# Altium PCB keyboard.PcbDoc (part 1 of 2)
Units mil, origin at the board's own origin, x right, y up, seen from the top; angles counter-clockwise.
Board outline 13687.52 x 5395.09 mil, 2 copper layers (Top Layer, Bottom Layer), stack 61.89 mil thick; 335 components, 198 nets, 879 pads, 640 vias.
Unrouted connection lines stored in the file: 435.
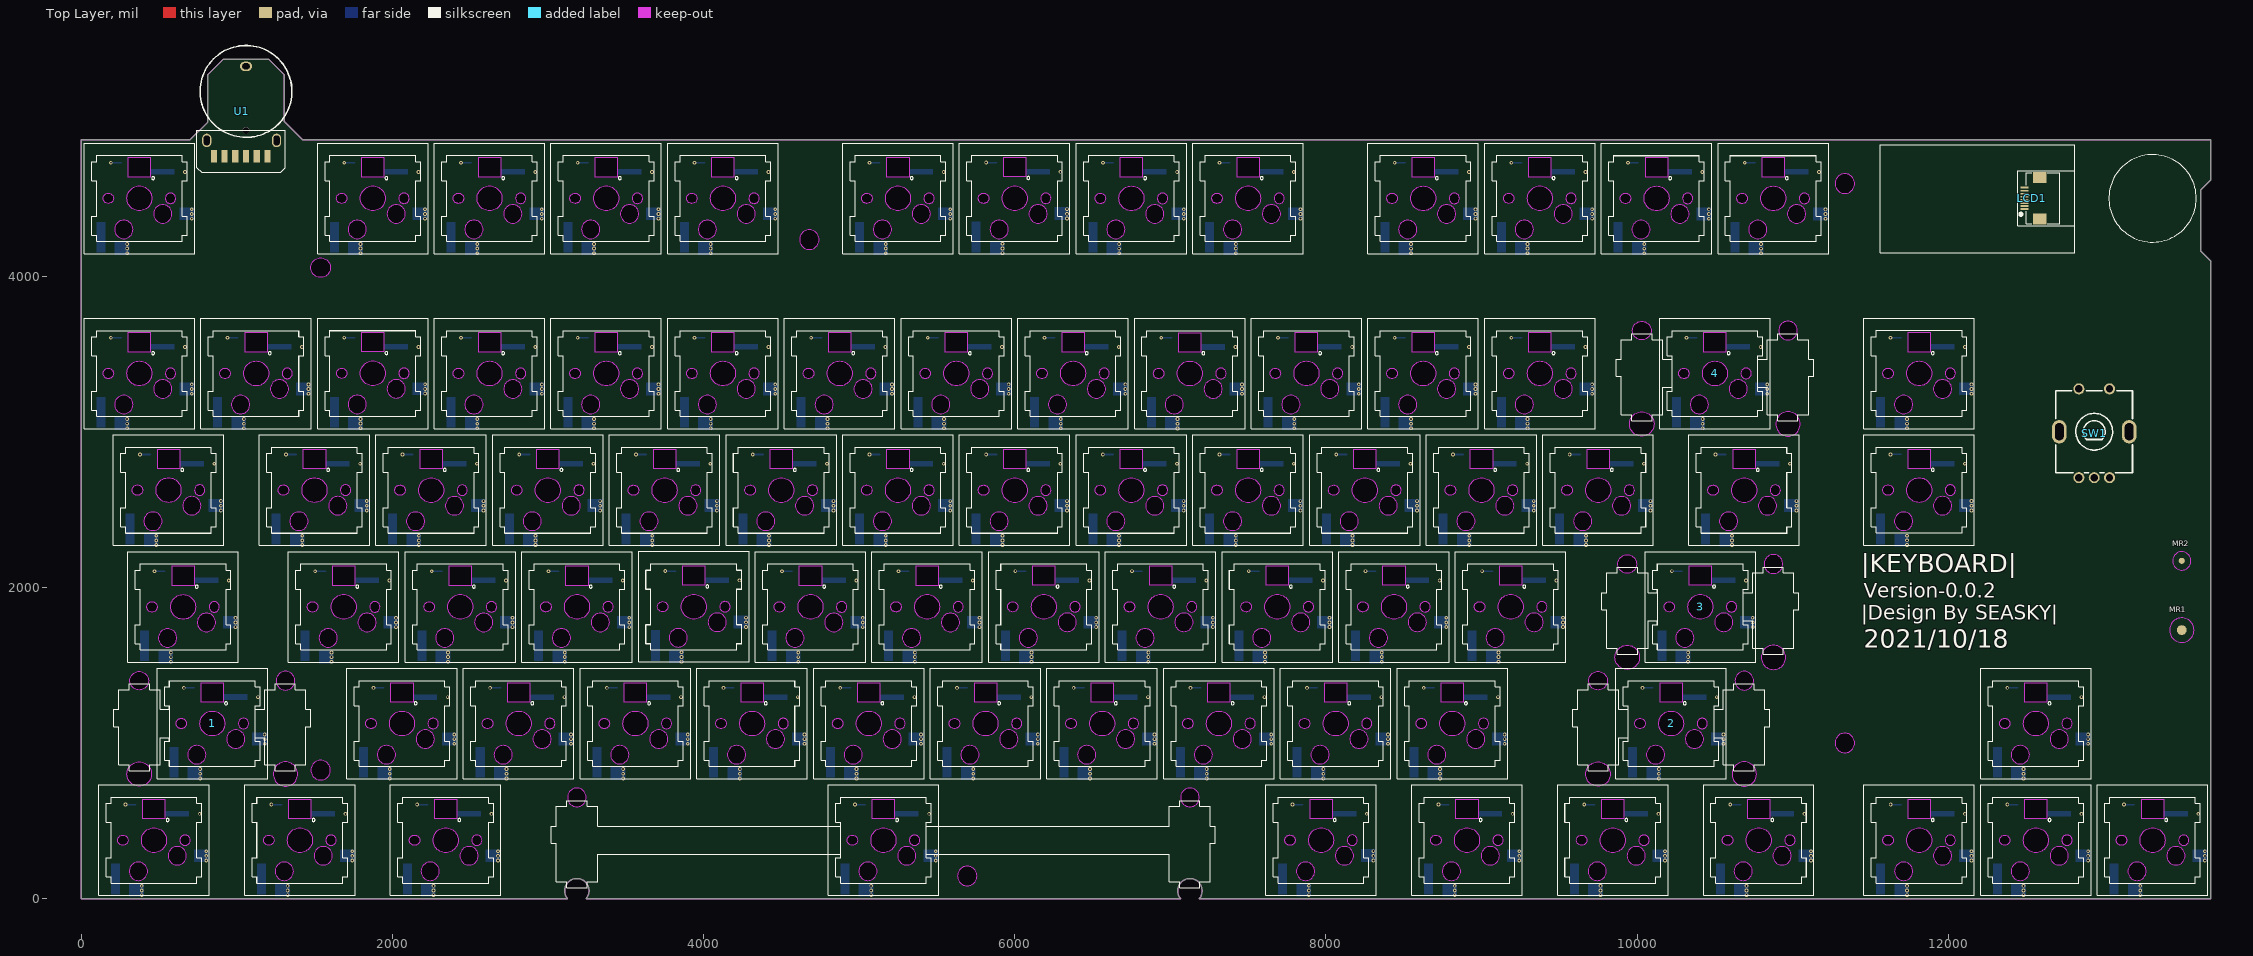
[diagram p0: Top Layer view]
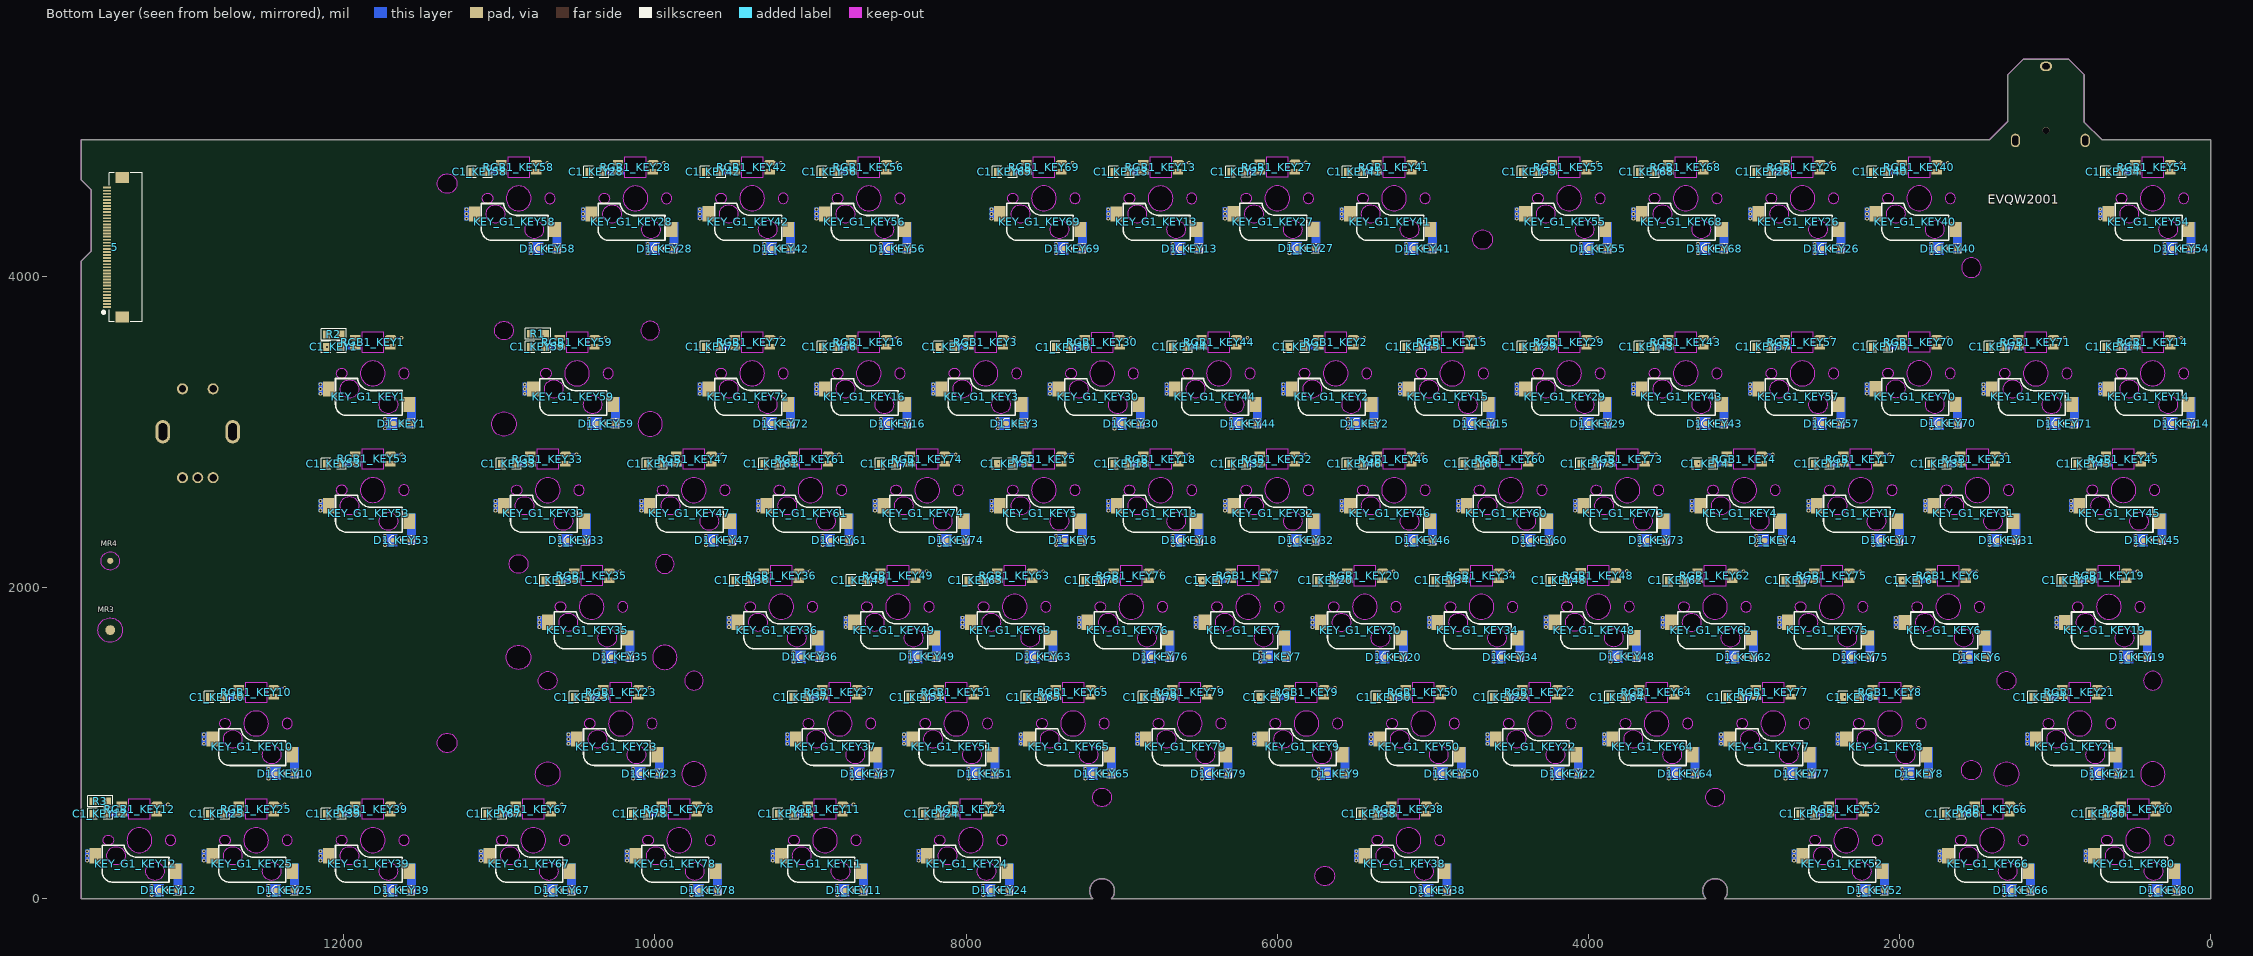
[diagram p1: Bottom Layer view, seen from below]

## Layer stack, top to bottom
Top Solder: solder mask 0.3937, Solder Resist, Dk 3.5
Top Layer: signal copper 1.4173
Dielectric 1: dielectric 59.0551, FR-4, Dk 4.8
Bottom Layer: signal copper 1.4173
Bottom Solder: solder mask 0.3937, Solder Resist, Dk 3.5

## Board outline
0,0 0,4875.01 700.01,4875.01 815,4990 815,5295 915,5395 1205,5395 1305,5295 1305,4995 1424.99,4875.01 13687.52,4875.01 13687.52,4618.77 13623.46,4554.72 13623.46,4160.31 13687.52,4096.25 13687.52,0 7186.67,0 ccw(c7126.2,50.05) 7065.8,-0.09 3246.67,0 ccw(c3186.2,50.05) 3125.8,-0.09
cut-out: 3126.2,650.05 ccw(c3186.2,650.05) 3186.2,590.05 ccw(c3186.2,650.05) 3246.2,650.05 ccw(c3186.2,650.05) 3186.2,710.05 ccw(c3186.2,650.05)
cut-out: 7066.2,650.05 ccw(c7126.2,650.05) 7126.2,590.05 ccw(c7126.2,650.05) 7186.2,650.05 ccw(c7126.2,650.05) 7126.2,710.05 ccw(c7126.2,650.05)
cut-out: 11272.01,999.85 ccw(c11335,999.85) 11335,936.86 ccw(c11335,999.85) 11397.99,999.85 ccw(c11335,999.85) 11335,1062.85 ccw(c11335,999.85)
cut-out: 11272.01,4595 ccw(c11335,4595) 11335,4532.01 ccw(c11335,4595) 11397.99,4595 ccw(c11335,4595) 11335,4657.99 ccw(c11335,4595)
cut-out: 5632.01,145 ccw(c5695,145) 5695,82.01 ccw(c5695,145) 5757.99,145 ccw(c5695,145) 5695,207.99 ccw(c5695,145)
cut-out: 4617.01,4235 ccw(c4680,4235) 4680,4172.01 ccw(c4680,4235) 4742.99,4235 ccw(c4680,4235) 4680,4297.99 ccw(c4680,4235)
cut-out: 1540,3992.01 cw(c1540,4055) 1477.01,4055 cw(c1540,4055) 1540,4117.99 cw(c1540,4055) 1602.99,4055 cw(c1540,4055)
cut-out: 1477.01,825 ccw(c1540,825) 1540,762.01 ccw(c1540,825) 1602.99,825 ccw(c1540,825) 1540,887.99 ccw(c1540,825)

## Design rules (kind name [scope] priority, off if disabled: settings)
BoardOutlineClearance [All] p1: gap=10 ignorepadtopadclearanceinfootprint=FALSE except(0: Arc-SplitContinuation Track-SplitContinuation SMDPad-SplitContinuation THPad-SplitContinuation Via-SplitContinuation Fill-SplitContinuation Poly-SplitContinuation Region-SplitContinuation Text-SplitContinuation)
Clearance [All] p1: gap=6 ignorepadtopadclearanceinfootprint=TRUE except(0: Arc-Hole Track-Hole SMDPad-Hole THPad-Hole Via-Hole Fill-Hole Poly-Hole Region-Hole Text-Hole; 10: Arc-Arc Arc-Track Track-Track)
PlaneConnect [All] p1: planeconnectstyle=Direct reliefexpansion=20 reliefentries=4 reliefconductorwidth=10 reliefairgap=10
PolygonConnect [All] p1: connectstyle=Direct reliefconductorwidth=10 reliefentries=4 polygonreliefangle="90 Angle" airgapwidth=10
RoutingVias [All] p1: holewidth=12 width=24 viastyle="Through Hole" minholewidth=12 minwidth=24 maxholewidth=24 maxwidth=48
SolderMaskExpansion [All] p1: expansion=4 istentingtop=FALSE
Width [All] p1: maxlimit=100 minlimit=6 preferedwidth=10
29 further rules are at their usual default settings.

## Classes and differential pairs
channel class KEY: KEY1 KEY2 KEY3 KEY4 KEY5 KEY6 KEY7 KEY8 KEY9 KEY10 KEY11 KEY12 KEY13 KEY14 KEY15 KEY16 KEY17 KEY18 KEY19 KEY20 KEY21 KEY22 KEY23 KEY24 KEY25 KEY26 KEY27 KEY28 KEY29 KEY30 KEY31 KEY32 KEY33 KEY34 KEY35 KEY36 KEY37 KEY38 KEY39 KEY40 KEY41 KEY42 KEY43 KEY44 KEY45 KEY46 KEY47 KEY48 KEY49 KEY50 KEY51 KEY52 KEY53 KEY54 KEY55 KEY56 KEY57 KEY58 KEY59 KEY60 KEY61 KEY62 KEY63 KEY64 KEY65 KEY66 KEY67 KEY68 KEY69 KEY70 KEY71 KEY72 KEY73 KEY74 KEY75 KEY76 KEY77 KEY78 KEY79 KEY80
component class KEY80: C1_KEY12 D1_KEY59 KEY_G1_KEY12 RGB1_KEY28
component class KEY79: C1_KEY25 D1_KEY25 KEY_G1_KEY25 RGB1_KEY57
component class KEY78: C1_KEY39 D1_KEY74 KEY_G1_KEY39 RGB1_KEY39
component class KEY77: C1_KEY53 D1_KEY53 KEY_G1_KEY53 RGB1_KEY49
component class KEY76: C1_KEY67 D1_KEY23 KEY_G1_KEY67 RGB1_KEY67
component class KEY75: C1_KEY78 D1_KEY78 KEY_G1_KEY39 RGB1_KEY39
component class KEY74: C1_KEY33 D1_KEY33 KEY_G1_KEY33 RGB1_KEY11
component class KEY73: C1_KEY24 D1_KEY31 KEY_G1_KEY24 RGB1_KEY24
component class KEY72: C1_KEY5 D1_KEY5 KEY_G1_KEY5 RGB1_KEY38
component class KEY71: C1_KEY52 D1_KEY52 KEY_G1_KEY52 RGB1_KEY52
component class KEY70: C1_KEY37 D1_KEY37 KEY_G1_KEY37 RGB1_KEY66
component class KEY69: C1_KEY80 D1_KEY80 KEY_G1_KEY12 RGB1_KEY28
component class KEY68: C1_KEY10 D1_KEY8 KEY_G1_KEY10 RGB1_KEY56
component class KEY67: C1_KEY6 D1_KEY23 KEY_G1_KEY23 RGB1_KEY23
component class KEY66: C1_KEY37 D1_KEY37 KEY_G1_KEY37 RGB1_KEY29
component class KEY65: C1_KEY51 D1_KEY51 KEY_G1_KEY51 RGB1_KEY51
component class KEY64: C1_KEY65 D1_KEY65 KEY_G1_KEY65 RGB1_KEY51
component class KEY63: C1_KEY25 D1_KEY25 KEY_G1_KEY25 RGB1_KEY79
component class KEY62: C1_KEY9 D1_KEY9 KEY_G1_KEY9 RGB1_KEY69
component class KEY61: C1_KEY65 D1_KEY65 KEY_G1_KEY65 RGB1_KEY58
component class KEY60: C1_KEY36 D1_KEY36 KEY_G1_KEY36 RGB1_KEY36
component class KEY59: C1_KEY7 D1_KEY7 KEY_G1_KEY7 RGB1_KEY50
component class KEY58: C1_KEY65 D1_KEY65 KEY_G1_KEY65 RGB1_KEY51
component class KEY57: C1_KEY53 D1_KEY53 KEY_G1_KEY53 RGB1_KEY77
component class KEY56: C1_KEY8 D1_KEY8 KEY_G1_KEY8 RGB1_KEY13
component class KEY55: C1_KEY52 D1_KEY21 KEY_G1_KEY21 RGB1_KEY21
component class KEY54: C1_KEY35 D1_KEY35 KEY_G1_KEY35 RGB1_KEY46
component class KEY53: C1_KEY49 D1_KEY49 KEY_G1_KEY49 RGB1_KEY49
component class KEY52: C1_KEY63 D1_KEY63 KEY_G1_KEY63 RGB1_KEY79
component class KEY51: C1_KEY67 D1_KEY76 KEY_G1_KEY67 RGB1_KEY67
component class KEY50: C1_KEY7 D1_KEY7 KEY_G1_KEY7 RGB1_KEY38
component class KEY49: C1_KEY20 D1_KEY2 KEY_G1_KEY2 RGB1_KEY2
component class KEY48: C1_KEY34 D1_KEY34 KEY_G1_KEY34 RGB1_KEY34
component class KEY47: C1_KEY34 D1_KEY34 KEY_G1_KEY34 RGB1_KEY48
component class KEY46: C1_KEY9 D1_KEY9 KEY_G1_KEY9 RGB1_KEY69
component class KEY45: C1_KEY78 D1_KEY78 KEY_G1_KEY39 RGB1_KEY75
component class KEY44: C1_KEY6 D1_KEY6 KEY_G1_KEY6 RGB1_KEY41
component class KEY43: C1_KEY15 D1_KEY19 KEY_G1_KEY19 RGB1_KEY19
component class KEY42: C1_KEY33 D1_KEY33 KEY_G1_KEY33 RGB1_KEY73
component class KEY41: C1_KEY34 D1_KEY34 KEY_G1_KEY34 RGB1_KEY48
component class KEY40: C1_KEY61 D1_KEY61 KEY_G1_KEY61 RGB1_KEY58
component class KEY39: C1_KEY33 D1_KEY74 KEY_G1_KEY33 RGB1_KEY11
component class KEY38: C1_KEY5 D1_KEY5 KEY_G1_KEY5 RGB1_KEY21
component class KEY37: C1_KEY18 D1_KEY29 KEY_G1_KEY29 RGB1_KEY29
component class KEY36: C1_KEY32 D1_KEY32 KEY_G1_KEY32 RGB1_KEY32
component class KEY35: C1_KEY9 D1_KEY9 KEY_G1_KEY9 RGB1_KEY46
component class KEY34: C1_KEY36 D1_KEY36 KEY_G1_KEY36 RGB1_KEY36
component class KEY33: C1_KEY24 D1_KEY31 KEY_G1_KEY24 RGB1_KEY73
component class KEY32: C1_KEY4 D1_KEY4 KEY_G1_KEY4 RGB1_KEY68
component class KEY31: C1_KEY43 D1_KEY17 KEY_G1_KEY17 RGB1_KEY17
component class KEY30: C1_KEY31 D1_KEY31 KEY_G1_KEY31 RGB1_KEY17
component class KEY29: C1_KEY78 D1_KEY78 KEY_G1_KEY39 RGB1_KEY75
component class KEY28: C1_KEY59 D1_KEY59 KEY_G1_KEY59 RGB1_KEY50
component class KEY27: C1_KEY5 D1_KEY72 KEY_G1_KEY5 RGB1_KEY38
component class KEY26: C1_KEY3 D1_KEY3 KEY_G1_KEY3 RGB1_KEY26
component class KEY25: C1_KEY16 D1_KEY57 KEY_G1_KEY57 RGB1_KEY57
component class KEY24: C1_KEY31 D1_KEY31 KEY_G1_KEY31 RGB1_KEY17
component class KEY23: C1_KEY6 D1_KEY6 KEY_G1_KEY6 RGB1_KEY44
component class KEY22: C1_KEY65 D1_KEY65 KEY_G1_KEY65 RGB1_KEY58
component class KEY21: C1_KEY52 D1_KEY52 KEY_G1_KEY52 RGB1_KEY71
component class KEY20: C1_KEY2 D1_KEY2 KEY_G1_KEY2 RGB1_KEY2
component class KEY19: C1_KEY15 D1_KEY15 KEY_G1_KEY15 RGB1_KEY15
component class KEY18: C1_KEY78 D1_KEY29 KEY_G1_KEY29 RGB1_KEY29
component class KEY17: C1_KEY43 D1_KEY19 KEY_G1_KEY19 RGB1_KEY19
component class KEY16: C1_KEY53 D1_KEY57 KEY_G1_KEY57 RGB1_KEY57
component class KEY15: C1_KEY70 D1_KEY37 KEY_G1_KEY37 RGB1_KEY66
component class KEY14: C1_KEY35 D1_KEY1 KEY_G1_KEY35 RGB1_KEY1
component class KEY13: C1_KEY14 D1_KEY1 KEY_G1_KEY14 RGB1_KEY1
component class KEY12: C1_KEY59 D1_KEY59 KEY_G1_KEY59 RGB1_KEY28
component class KEY11: C1_KEY33 D1_KEY33 KEY_G1_KEY33 RGB1_KEY42
component class KEY10: C1_KEY8 D1_KEY8 KEY_G1_KEY8 RGB1_KEY56
component class KEY9: C1_KEY80 D1_KEY80 KEY_G1_KEY12 RGB1_KEY69
component class KEY8: C1_KEY14 D1_KEY13 KEY_G1_KEY14 RGB1_KEY13
component class KEY7: C1_KEY27 D1_KEY72 KEY_G1_KEY27 RGB1_KEY38
component class KEY6: C1_KEY34 D1_KEY34 KEY_G1_KEY34 RGB1_KEY41
component class KEY5: C1_KEY55 D1_KEY55 KEY_G1_KEY55 RGB1_KEY21
component class KEY4: C1_KEY10 D1_KEY8 KEY_G1_KEY10 RGB1_KEY68
component class KEY3: C1_KEY3 D1_KEY3 KEY_G1_KEY3 RGB1_KEY26
component class KEY2: C1_KEY61 D1_KEY61 KEY_G1_KEY61 RGB1_KEY40
component class KEY1: C1_KEY35 D1_KEY35 KEY_G1_KEY35 RGB1_KEY54
component class keyboard: 1 2 3 4 5 LCD1 MR1 MR2 R1 R2 R3 SW1 U1

## Components (designator, comment, footprint, x,y, rotation, side; value= is the part's Value field where it differs from the comment)
1 "MX_支架" 1X2 843.72,1125.03 r0 top locked
2 "MX_支架" 1X2 10218.7,1125.03 r0 top locked
3 "MX_支架" 1X2 10406.2,1875.03 r0 top locked
4 "MX_支架" 1X2 10499.98,3375.03 r0 top locked
5 "FPC1.0-40P" "FPC0.5 2H-WS-40P" 13422.95,4184.89 r90 bottom locked
C1_KEY1 "104" 0805 12063.76,3544.87 r180 bottom locked (schematic designator C1)
C1_KEY2 "104" 0805 5876.28,3544.84 r180 bottom locked (schematic designator C1)
C1_KEY3 "104" 0805 8126.28,3544.84 r180 bottom locked (schematic designator C1)
C1_KEY4 "104" 0805 3251.11,2794.47 r180 bottom locked (schematic designator C1)
C1_KEY5 "104" 0805 7751.11,2794.47 r180 bottom locked (schematic designator C1)
C1_KEY6 "104" 0805 1939.11,2044.47 r180 bottom locked (schematic designator C1)
C1_KEY7 "104" 0805 6438.8,2044.8 r180 bottom locked (schematic designator C1)
C1_KEY8 "104" 0805 2313.8,1294.8 r180 bottom locked (schematic designator C1)
C1_KEY9 "104" 0805 6063.8,1294.8 r180 bottom locked (schematic designator C1)
C1_KEY10 "104" 0805 12813.8,1294.8 r180 bottom locked (schematic designator C1)
C1_KEY11 "104" 0805 9157.8,544.8 r180 bottom locked (schematic designator C1)
C1_KEY12 "104" 0805 13563.8,544.8 r180 bottom locked (schematic designator C1)
C1_KEY13 "104" 0805 7001.51,4669.63 r180 bottom locked (schematic designator C1)
C1_KEY14 "104" 0805 626.28,3544.84 r180 bottom locked (schematic designator C1)
C1_KEY15 "104" 0805 5126.51,3544.63 r180 bottom locked (schematic designator C1)
C1_KEY16 "104" 0805 8876.51,3544.63 r180 bottom locked (schematic designator C1)
C1_KEY17 "104" 0805 2501.11,2794.47 r180 bottom locked (schematic designator C1)
C1_KEY18 "104" 0805 7001.11,2794.47 r180 bottom locked (schematic designator C1)
C1_KEY19 "104" 0805 907.23,2044.35 r180 bottom locked (schematic designator C1)
C1_KEY20 "104" 0805 5688.51,2044.63 r180 bottom locked (schematic designator C1)
C1_KEY21 "104" 0805 1095.28,1294.84 r180 bottom locked (schematic designator C1)
C1_KEY22 "104" 0805 4563.8,1294.8 r180 bottom locked (schematic designator C1)
C1_KEY23 "104" 0805 10469.8,1294.8 r180 bottom locked (schematic designator C1)
C1_KEY24 "104" 0805 8220.28,544.84 r180 bottom locked (schematic designator C1)
C1_KEY25 "104" 0805 12813.8,544.8 r180 bottom locked (schematic designator C1)
C1_KEY26 "104" 0805 2876.28,4669.84 r180 bottom locked (schematic designator C1)
C1_KEY27 "104" 0805 6251.28,4670.63 r180 bottom locked (schematic designator C1)
C1_KEY28 "104" 0805 10376.11,4669.47 r180 bottom locked (schematic designator C1)
C1_KEY29 "104" 0805 4376.28,3544.84 r180 bottom locked (schematic designator C1)
C1_KEY30 "104" 0805 7376.4,3544.4 r180 bottom locked (schematic designator C1)
C1_KEY31 "104" 0805 1751.35,2794.63 r180 bottom locked (schematic designator C1)
C1_KEY32 "104" 0805 6251.11,2794.47 r180 bottom locked (schematic designator C1)
C1_KEY33 "104" 0805 10939.11,2794.47 r180 bottom locked (schematic designator C1)
C1_KEY34 "104" 0805 4939.11,2044.47 r180 bottom locked (schematic designator C1)
C1_KEY35 "104" 0805 10657.8,2044.8 r180 bottom locked (schematic designator C1)
C1_KEY36 "104" 0805 9438.8,2044.8 r180 bottom locked (schematic designator C1)
C1_KEY37 "104" 0805 9063.8,1294.8 r180 bottom locked (schematic designator C1)
C1_KEY38 "104" 0805 5407.8,544.8 r180 bottom locked (schematic designator C1)
C1_KEY39 "104" 0805 12063.8,544.8 r180 bottom locked (schematic designator C1)
C1_KEY40 "104" 0805 2126.28,4669.84 r180 bottom locked (schematic designator C1)
C1_KEY41 "104" 0805 5501.28,4669.84 r180 bottom locked (schematic designator C1)
C1_KEY42 "104" 0805 9626.28,4669.84 r180 bottom locked (schematic designator C1)
C1_KEY43 "104" 0805 3626.28,3544.84 r180 bottom locked (schematic designator C1)
C1_KEY44 "104" 0805 6626.28,3544.84 r180 bottom locked (schematic designator C1)
C1_KEY45 "104" 0805 813.51,2794.63 r180 bottom locked (schematic designator C1)
C1_KEY46 "104" 0805 5501.11,2794.47 r180 bottom locked (schematic designator C1)
C1_KEY47 "104" 0805 10001.11,2794.47 r180 bottom locked (schematic designator C1)
C1_KEY48 "104" 0805 4189.11,2045.47 r180 bottom locked (schematic designator C1)
C1_KEY49 "104" 0805 8688.8,2044.8 r180 bottom locked (schematic designator C1)
C1_KEY50 "104" 0805 5313.8,1294.8 r180 bottom locked (schematic designator C1)
C1_KEY51 "104" 0805 8313.8,1294.8 r180 bottom locked (schematic designator C1)
C1_KEY52 "104" 0805 2594.8,544.8 r180 bottom locked (schematic designator C1)
C1_KEY53 "104" 0805 12063.76,2794.87 r180 bottom locked (schematic designator C1)
C1_KEY54 "104" 0805 626.28,4669.84 r180 bottom locked (schematic designator C1)
C1_KEY55 "104" 0805 4376.28,4669.84 r180 bottom locked (schematic designator C1)
C1_KEY56 "104" 0805 8876.51,4669.63 r180 bottom locked (schematic designator C1)
C1_KEY57 "104" 0805 2876.35,3544.63 r180 bottom locked (schematic designator C1)
C1_KEY58 "104" 0805 11126.11,4669.47 r180 bottom locked (schematic designator C1)
C1_KEY59 "104" 0805 10751.35,3544.63 r180 bottom locked (schematic designator C1)
C1_KEY60 "104" 0805 4751.11,2794.47 r180 bottom locked (schematic designator C1)
C1_KEY61 "104" 0805 9251.11,2794.47 r180 bottom locked (schematic designator C1)
C1_KEY62 "104" 0805 3438.51,2044.63 r180 bottom locked (schematic designator C1)
C1_KEY63 "104" 0805 7938.8,2044.8 r180 bottom locked (schematic designator C1)
C1_KEY64 "104" 0805 3813.8,1294.8 r180 bottom locked (schematic designator C1)
C1_KEY65 "104" 0805 7563.8,1294.8 r180 bottom locked (schematic designator C1)
C1_KEY66 "104" 0805 1657.8,544.8 r180 bottom locked (schematic designator C1)
C1_KEY67 "104" 0805 11032.8,544.8 r180 bottom locked (schematic designator C1)
C1_KEY68 "104" 0805 3626.28,4669.84 r180 bottom locked (schematic designator C1)
C1_KEY69 "104" 0805 7751.28,4669.84 r180 bottom locked (schematic designator C1)
C1_KEY70 "104" 0805 2126.4,3545.4 r180 bottom locked (schematic designator C1)
C1_KEY71 "104" 0805 1376.51,3544.63 r180 bottom locked (schematic designator C1)
C1_KEY72 "104" 0805 9626.28,3544.84 r180 bottom locked (schematic designator C1)
C1_KEY73 "104" 0805 4001.11,2794.47 r180 bottom locked (schematic designator C1)
C1_KEY74 "104" 0805 8501.11,2794.47 r180 bottom locked (schematic designator C1)
C1_KEY75 "104" 0805 2688.51,2044.63 r180 bottom locked (schematic designator C1)
C1_KEY76 "104" 0805 7188.8,2044.8 r180 bottom locked (schematic designator C1)
C1_KEY77 "104" 0805 3063.8,1294.8 r180 bottom locked (schematic designator C1)
C1_KEY78 "104" 0805 10094.8,544.8 r180 bottom locked (schematic designator C1)
C1_KEY79 "104" 0805 6813.8,1294.8 r180 bottom locked (schematic designator C1)
C1_KEY80 "104" 0805 719.8,544.8 r180 bottom locked (schematic designator C1)
D1_KEY1 "1N4148W-7-F" SOD-123 11570.36,3052.47 r180 bottom locked (schematic designator D1)
D1_KEY2 "1N4148W-7-F" SOD-123 5382.88,3052.44 r180 bottom locked (schematic designator D1)
D1_KEY3 "1N4148W-7-F" SOD-123 7632.88,3052.44 r180 bottom locked (schematic designator D1)
D1_KEY4 "1N4148W-7-F" SOD-123 2757.71,2302.06 r180 bottom locked (schematic designator D1)
D1_KEY5 "1N4148W-7-F" SOD-123 7257.71,2302.06 r180 bottom locked (schematic designator D1)
D1_KEY6 "1N4148W-7-F" SOD-123 1445.71,1552.06 r180 bottom locked (schematic designator D1)
D1_KEY7 "1N4148W-7-F" SOD-123 5945.39,1552.4 r180 bottom locked (schematic designator D1)
D1_KEY8 "1N4148W-7-F" SOD-123 1820.39,802.4 r180 bottom locked (schematic designator D1)
D1_KEY9 "1N4148W-7-F" SOD-123 5570.39,802.4 r180 bottom locked (schematic designator D1)
D1_KEY10 "1N4148W-7-F" SOD-123 12320.39,802.4 r180 bottom locked (schematic designator D1)
D1_KEY11 "1N4148W-7-F" SOD-123 8664.39,52.4 r180 bottom locked (schematic designator D1)
D1_KEY12 "1N4148W-7-F" SOD-123 13070.39,52.4 r180 bottom locked (schematic designator D1)
D1_KEY13 "1N4148W-7-F" SOD-123 6508.11,4177.22 r180 bottom locked (schematic designator D1)
D1_KEY14 "1N4148W-7-F" SOD-123 132.88,3052.44 r180 bottom locked (schematic designator D1)
D1_KEY15 "1N4148W-7-F" SOD-123 4633.11,3052.22 r180 bottom locked (schematic designator D1)
D1_KEY16 "1N4148W-7-F" SOD-123 8383.11,3052.22 r180 bottom locked (schematic designator D1)
D1_KEY17 "1N4148W-7-F" SOD-123 2007.71,2302.06 r180 bottom locked (schematic designator D1)
D1_KEY18 "1N4148W-7-F" SOD-123 6507.71,2302.06 r180 bottom locked (schematic designator D1)
D1_KEY19 "1N4148W-7-F" SOD-123 413.83,1551.94 r180 bottom locked (schematic designator D1)
D1_KEY20 "1N4148W-7-F" SOD-123 5195.11,1552.22 r180 bottom locked (schematic designator D1)
D1_KEY21 "1N4148W-7-F" SOD-123 601.88,802.44 r180 bottom locked (schematic designator D1)
D1_KEY22 "1N4148W-7-F" SOD-123 4070.39,802.4 r180 bottom locked (schematic designator D1)
D1_KEY23 "1N4148W-7-F" SOD-123 9976.39,802.4 r180 bottom locked (schematic designator D1)
D1_KEY24 "1N4148W-7-F" SOD-123 7726.88,52.44 r180 bottom locked (schematic designator D1)
D1_KEY25 "1N4148W-7-F" SOD-123 12320.39,52.4 r180 bottom locked (schematic designator D1)
D1_KEY26 "1N4148W-7-F" SOD-123 2382.88,4177.44 r180 bottom locked (schematic designator D1)
D1_KEY27 "1N4148W-7-F" SOD-123 5757.88,4178.22 r180 bottom locked (schematic designator D1)
D1_KEY28 "1N4148W-7-F" SOD-123 9882.71,4177.06 r180 bottom locked (schematic designator D1)
D1_KEY29 "1N4148W-7-F" SOD-123 3882.88,3052.44 r180 bottom locked (schematic designator D1)
D1_KEY30 "1N4148W-7-F" SOD-123 6883,3052 r180 bottom locked (schematic designator D1)
D1_KEY31 "1N4148W-7-F" SOD-123 1257.95,2302.22 r180 bottom locked (schematic designator D1)
D1_KEY32 "1N4148W-7-F" SOD-123 5757.71,2302.06 r180 bottom locked (schematic designator D1)
D1_KEY33 "1N4148W-7-F" SOD-123 10445.71,2302.06 r180 bottom locked (schematic designator D1)
D1_KEY34 "1N4148W-7-F" SOD-123 4445.71,1552.06 r180 bottom locked (schematic designator D1)
D1_KEY35 "1N4148W-7-F" SOD-123 10164.39,1552.4 r180 bottom locked (schematic designator D1)
D1_KEY36 "1N4148W-7-F" SOD-123 8945.39,1552.4 r180 bottom locked (schematic designator D1)